# KiCad board Nearfield RP2040.kicad_pcb (continued)
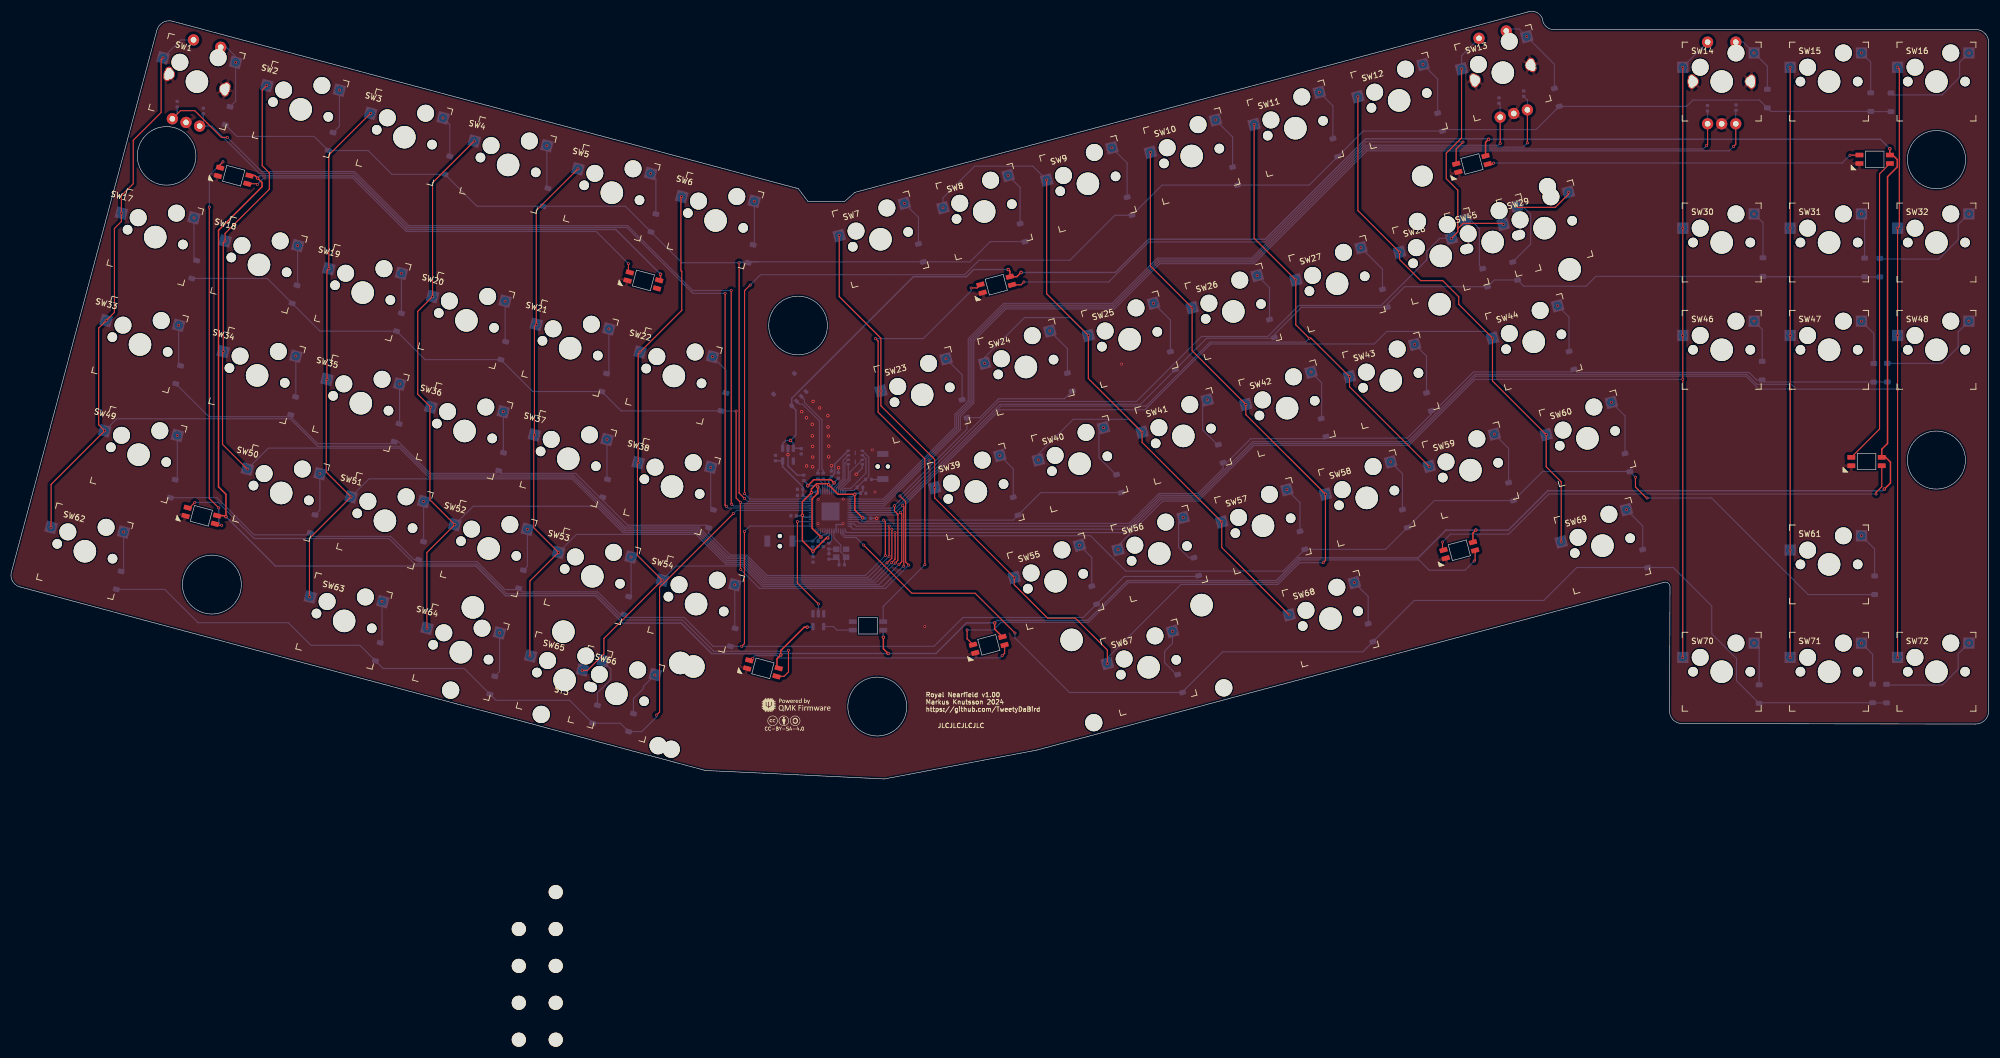
[diagram p0: board, top side]
## Nets
+1V1: C10.1 C11.1 C12.1 U5.23 U5.45 U5.50
+3V3: C1.1 C3.1 C4.1 C5.1 C6.1 C7.1 C8.1 C9.1 C21.1 R3.1 R8.1 U1.5 U4.8 U5.1 U5.10 U5.22 U5.33 U5.42 U5.43 U5.44 U5.48 U5.49
+5V: C2.1 J2.1 RGB1.1 RGB2.1 RGB3.1 RGB4.1 RGB5.1 RGB6.1 RGB7.1 RGB8.1 RGB9.1 RGB10.1 RGB11.1 U1.1 U1.3 U3.5
GND: C1.2 C2.2 C3.2 C4.2 C5.2 C6.2 C7.2 C8.2 C9.2 C10.2 C11.2 C12.2 C13.2 C14.1 C15.2 C16.1 C17.2 C18.1 C21.2 C22.2 C23.2 ENC1.C ENC1.MP1 ENC1.MP2 ENC2.C ENC2.MP1 ENC2.MP2 ENC3.C ENC3.MP1 ENC3.MP2 J2.4 RGB1.3 RGB2.3 RGB3.3 RGB4.3 RGB5.3 RGB6.3 RGB7.3 RGB8.3 RGB9.3 RGB10.3 RGB11.3 RS1.1 RS2.1 SW1.3 SW13.3 SW14.3 U1.2 U3.3 U4.4 U5.19 U5.57 Y1.2 Y1.4
/DN: R7.1 U5.46
/DP: R6.1 U5.47
Col_0: ENC1.S2 SW1.1 SW16.1 SW17.1 SW32.1 SW33.1 SW48.1 SW49.1 SW62.1 SW72.1 U5.13
Col_1: SW2.1 SW15.1 SW18.1 SW31.1 SW34.1 SW47.1 SW50.1 SW61.1 SW71.1 U5.14
Col_2: ENC3.S2 SW3.1 SW14.1 SW19.1 SW30.1 SW35.1 SW46.1 SW51.1 SW63.1 SW70.1 U5.15
Col_3: ENC2.S2 SW4.1 SW13.1 SW20.1 SW29.1 SW36.1 SW45.1 SW52.1 SW64.1 U5.6
Col_4: SW5.1 SW12.1 SW21.1 SW28.1 SW37.1 SW44.1 SW53.1 SW60.1 SW65.1 SW69.1 U5.9
Col_5: SW6.1 SW11.1 SW22.1 SW27.1 SW38.1 SW43.1 SW54.1 SW59.1 SW66.1 U5.8
Col_6: SW7.1 SW10.1 SW23.1 SW26.1 SW39.1 SW42.1 SW55.1 SW58.1 SW67.1
Col_7: SW8.1 SW9.1 SW24.1 SW25.1 SW40.1 SW41.1 SW56.1 SW57.1 SW68.1
D+: J2.3 R6.2
D-: J2.2 R7.2
ENC1: D1.2 ENC1.S1 SW1.2
ENC1_A: C13.1 ENC1.A U5.38
ENC1_B: C14.2 ENC1.B U5.37
ENC2: D13.2 ENC2.S1 SW13.2
ENC2_A: C15.1 ENC2.A U5.2
ENC2_B: C16.2 ENC2.B U5.3
ENC3: D14.2 ENC3.S1 SW14.2
ENC3_A: C17.1 ENC3.A U5.4
ENC3_B: C18.2 ENC3.B U5.5
RGB: U3.2 U5.31
Row_0: D1.1 D2.1 D3.1 D4.1 D5.1 D6.1 D7.1 D8.1 U5.40
Row_1: D9.1 D10.1 D11.1 D12.1 D13.1 D14.1 D15.1 D16.1 U5.41
Row_2: D17.1 D18.1 D19.1 D20.1 D21.1 D22.1 D23.1 D24.1 U5.39
Row_3: D25.1 D26.1 D27.1 D28.1 D29.1 D30.1 D31.1 D32.1 U5.7
Row_4: D33.1 D34.1 D35.1 D36.1 D37.1 D38.1 D39.1 D40.1 U5.11
Row_5: D41.1 D42.1 D43.1 D44.1 D45.1 D46.1 D47.1 U5.12
Row_6: D48.1 D49.1 D50.1 D51.1 D52.1 D53.1 D54.1 D55.1 U5.29
Row_7: D56.1 D57.1 D58.1 D59.1 D60.1 U5.16
Row_8: D61.1 D62.1 D63.1 D64.1 D65.1 U5.36
Row_9: D66.1 D67.1 D68.1 D69.1 D70.1 D71.1 U5.17
Net-(C23-Pad1): C23.1 R5.2 Y1.3
Net-(D2-A): D2.2 SW2.2
Net-(D3-A): D3.2 SW3.2
Net-(D4-A): D4.2 SW4.2
Net-(D5-A): D5.2 SW5.2
Net-(D6-A): D6.2 SW6.2
Net-(D7-A): D7.2 SW7.2
Net-(D8-A): D8.2 SW8.2
Net-(D9-A): D9.2 SW9.2
Net-(D10-A): D10.2 SW10.2
Net-(D11-A): D11.2 SW11.2
Net-(D12-A): D12.2 SW12.2
Net-(D15-A): D15.2 SW15.2
Net-(D16-A): D16.2 SW16.2
Net-(D17-A): D17.2 SW17.2
Net-(D18-A): D18.2 SW18.2
Net-(D19-A): D19.2 SW19.2
Net-(D20-A): D20.2 SW20.2
Net-(D21-A): D21.2 SW21.2
Net-(D22-A): D22.2 SW22.2
Net-(D23-A): D23.2 SW23.2
Net-(D24-A): D24.2 SW24.2
Net-(D25-A): D25.2 SW25.2
Net-(D26-A): D26.2 SW26.2
Net-(D27-A): D27.2 SW27.2
Net-(D28-A): D28.2 SW28.2
Net-(D29-A): D29.2 SW29.2 SW45.2
Net-(D30-A): D30.2 SW30.2
Net-(D31-A): D31.2 SW31.2
Net-(D32-A): D32.2 SW32.2
Net-(D33-A): D33.2 SW33.2
Net-(D34-A): D34.2 SW34.2
Net-(D35-A): D35.2 SW35.2
Net-(D36-A): D36.2 SW36.2
Net-(D37-A): D37.2 SW37.2
Net-(D38-A): D38.2 SW38.2
Net-(D39-A): D39.2 SW39.2
Net-(D40-A): D40.2 SW40.2
Net-(D41-A): D41.2 SW41.2
Net-(D42-A): D42.2 SW42.2
Net-(D43-A): D43.2 SW43.2
Net-(D44-A): D44.2 SW44.2
Net-(D45-A): D45.2 SW46.2
Net-(D46-A): D46.2 SW47.2
Net-(D47-A): D47.2 SW48.2
Net-(D48-A): D48.2 SW49.2
Net-(D49-A): D49.2 SW50.2
Net-(D50-A): D50.2 SW51.2
Net-(D51-A): D51.2 SW52.2
Net-(D52-A): D52.2 SW53.2
Net-(D53-A): D53.2 SW54.2
Net-(D54-A): D54.2 SW55.2
Net-(D55-A): D55.2 SW56.2
Net-(D56-A): D56.2 SW57.2
Net-(D57-A): D57.2 SW58.2
Net-(D58-A): D58.2 SW59.2
Net-(D59-A): D59.2 SW60.2
Net-(D60-A): D60.2 SW61.2
Net-(D61-A): D61.2 SW62.2
Net-(D62-A): D62.2 SW63.2
Net-(D63-A): D63.2 SW64.2
Net-(D64-A): D64.2 SW65.2
Net-(D65-A): D65.2 SW66.2
Net-(D66-A): D66.2 SW67.2
Net-(D67-A): D67.2 SW68.2
Net-(D68-A): D68.2 SW69.2
Net-(D69-A): D69.2 SW70.2
Net-(D70-A): D70.2 SW71.2
Net-(D71-A): D71.2 SW72.2
Net-(R4-Pad2): R4.2 RS1.2
Net-(RGB1-DIN): RGB1.4 U3.4
Net-(RGB1-DOUT): RGB1.2 RGB2.4
Net-(RGB2-DOUT): RGB2.2 RGB3.4
Net-(RGB3-DOUT): RGB3.2 RGB4.4
Net-(RGB4-DOUT): RGB4.2 RGB5.4
Net-(RGB5-DOUT): RGB5.2 RGB6.4
Net-(RGB6-DOUT): RGB6.2 RGB7.4
Net-(RGB7-DOUT): RGB7.2 RGB8.4
Net-(RGB8-DOUT): RGB8.2 RGB9.4
Net-(RGB10-DIN): RGB9.2 RGB10.4
Net-(RGB10-DOUT): RGB10.2 RGB11.4
Net-(U4-CLK): U4.6 U5.52
Net-(U4-DI(IO0)): U4.5 U5.53
Net-(U4-DO(IO1)): U4.2 U5.55
Net-(U4-IO2): U4.3 U5.54
Net-(U4-IO3): U4.7 U5.51
Net-(U4-~{CS}): R3.2 R4.1 U4.1 U5.56
Net-(U5-RUN): R8.2 RS2.2 U5.26
Net-(U5-XIN): C22.1 U5.20 Y1.1
Net-(U5-XOUT): R5.1 U5.21

Pads without a net: J2 MP; RGB11 2; U1 4; U3 1; U4 9; U5 18 24 25 27 28 30 32 34 35

## Via types
v1: diameter 0.6, hole 0.3, Top to Bottom, 46 vias
v2: diameter 0.5, hole 0.3, Top to Bottom, 220 vias

## Routing (per net, layer and track width the routed paths; a pad name or vN(x,y) marks a point on that pad's centre or on a via; arc(x,y) is an arc through that point)
+1V1: length 25.3
  Top w0.254: v1(143.08,51.85) 143.08,50.74 142.06,49.71 142.06,44.52 v1(143.64,42.94) ; v1(141.29,52.03) 142.37,53.11 145.42,53.11 v1(145.98,52.55)
  Bottom w0.254: C10.1 143.12,42.42 v1(143.64,42.94) 144.05,43.36 144.51,43.36 144.74,43.58 U5.23 ; U5.45 143.54,51.39 v1(143.08,51.85) 142.89,52.03 v1(141.29,52.03) 141.29,52.28 C12.1 ; C11.1 145.98,52.63 v1(145.98,52.55) 145.98,52.53 145.54,52.09 U5.50
+3V3: length 65.8
  Top w0.254: v1(144.84,42.78) 144.59,42.78 v1(142.22,40.41) 140.34,42.29 v1(140.34,46.8) 140.34,49.2 v1(141.95,50.81) 141.95,51.5 142.85,52.4 144.83,52.4 v1(145,52.23) 146.7,50.53 v1(149.65,50.53) 149.65,47.74 v1(151.04,46.35)
  Bottom w0.254: C6.1 142.22,39.46 v1(142.22,40.41) 142.19,40.44 R8.1 ; U5.1 149.2,50.09 v1(149.65,50.53) 149.83,50.71 C4.1 151.07,51.14 R3.1 ; U5.44 U5.43 142.06,50.92 v1(141.95,50.81) 141.9,50.77 U5.42 140.66,50.09 C3.1 140.43,51.4 140.46,51.43 ; v1(144.84,42.78) 144.88,42.82 144.88,43.04 ; U5.49 145.14,52.09 v1(145,52.23) ; C21.1 140.26,46.72 v1(140.34,46.8) 140.65,46.49 U5.33 ; 144.88,43.04 C9.1 ; 144.88,43.04 145.14,43.3 U5.22 ; v1(145,52.23) 144.74,51.97 U5.48 ; v1(145,52.23) 145,53.16 C5.1 146.08,54.24 146.08,55.9 148.45,58.27 U4.8 ; C7.1 136.79,56.48 U1.5 136.84,55.43 140.42,51.85 C1.1 ; U5.10 150.9,46.49 v1(151.04,46.35) 151.1,46.28 C8.1
+5V: length 782
  Top w0.254: v1(176.85,90.43) 177.15,90.13 RGB2.1 178.39,89.17 v1(179.15,89.92) ; v1(332.29,51.45) 333.37,52.53 333.37,56.24 332.51,57.1 RGB5.1 331.82,58.53 332.85,59.55 332.85,106.92 334.58,108.65 334.58,109.96 333.78,110.76 RGB4.1 333.26,110.77 v1(333.26,111.89) ; RGB10.1 43.25,107.12 v1(43.7,106.66) 44.49,105.88 44.49,105.13 36.76,97.4 36.76,51.86 38.08,50.54 v1(38.08,46.57) 37.91,46.74 RGB9.1 ; v1(259.83,44.18) 259.3,43.66 RGB6.1 ; v1(141.2,26.95) 140.67,26.95 136.52,22.8 v1(136.52,22.01) 135.83,21.33 135.83,19.97 RGB8.1 ; RGB3.1 261.54,113.04 v1(262.07,113.56) ; v1(115.18,89.6) 115.18,88.77 RGB11.1 ; v1(155.56,22.27) 154.71,23.12 v1(154.71,25.15) ; RGB7.1 174.45,26.6 v1(174.45,27.7)
  Bottom w0.254: C2.1 140.08,58.71 U1.3 138.74,59.58 v1(138.23,60.09) ; v1(138.23,60.09) 139.2,61.06 139.2,65.48 J2.1 138.45,67.58 160.03,89.16 169.45,89.16 170.73,90.43 v1(176.85,90.43) ; v1(138.23,60.09) 137.39,60.09 136.84,59.54 U1.1 ; v1(154.71,25.15) 154.68,25.18 RGB1.1 ; v1(333.26,111.89) 331.59,113.56 v1(262.07,113.56) 261.98,113.65 240.27,113.65 222.44,95.81 201.77,95.81 195.88,89.92 v1(179.15,89.92) ; v1(115.18,89.6) 107.24,97.54 70.21,97.54 60.7,107.06 44.1,107.06 v1(43.7,106.66) ; v1(332.29,51.45) 332,51.16 272.57,51.16 265.59,44.18 v1(259.83,44.18) 254.52,44.18 249.57,39.24 228.45,39.24 224.42,35.21 198.02,35.21 190.96,28.14 174.9,28.14 v1(174.45,27.7) 169.45,27.7 164.02,22.27 v1(155.56,22.27) 136.77,22.27 v1(136.52,22.01) 136.28,22.25 124.25,22.25 118.83,27.67 108.48,27.67 103.62,32.53 87.69,32.53 82.43,37.79 46.86,37.79 v1(38.08,46.57) ; v1(141.2,26.95) 142.13,26.95 U3.5
GND: length 17.2
  Bottom w0.254: U4.4 150.98,55.18 v1(149.89,54.09) ; U5.19 146.34,45.16 147.42,45.16 v2(147.55,45.29) ; C12.2 139.44,53.93 137.79,55.58 U1.2 ; v1(146.77,55.25) 146.73,55.21 C11.2 ; C5.2 v1(145.52,55.62) ; C23.2 145.99,39.01 Y1.2 146.85,38.87 C22.2 ; C8.2 152.47,46.27 v1(153.52,46.27)
  vias: v1(137.79,57.57) v1(140.23,65.2) v1(141.07,64.12) v1(141.09,55.57) v1(142.1,62.95) v1(142.11,60.92) v1(142.14,59.05) v1(142.16,57.13) v1(142.16,55.41) v1(142.24,67.02) v1(143.41,65.87) v1(144.86,64.5) v1(144.91,62.5) v1(144.97,60.88) v1(145.02,59.07) v1(145,57.18) v2(143.14,49.66) v2(143.11,45.31) v2(147.57,49.68) v2(152.74,58.4) v2(153.23,50.94) v2(162.05,27.03) v2(196.98,73.64)
/DN: length 2.7
  Bottom w0.2: U5.46 143.95,50.94 143.95,52.43 R7.1
/DP: length 2.5
  Bottom w0.2: R6.1 144.34,52.98 U5.47
Col_0: length 561.1
  Top w0.2: v2(155.74,44.88) 155.72,44.86 v2(155.72,39.53) ; v2(334.63,21.58) v2(334.63,69.19) v2(334.63,78.73) v2(334.63,97.78) 334.94,98.09 334.94,126.04 v2(334.63,126.35) ; v2(7.05,44.66) 7.05,52.28 v2(16.57,61.81) 15.51,62.87 15.51,80.04 v2(16.83,81.36) 18.3,82.83 18.3,97.73 19.53,98.97 v2(19.53,100.44) 19.53,103.57 21.64,105.67 21.64,113.38 26.59,118.33 26.59,127.7 v2(26.93,128.04)
  Bottom w0.2: v2(16.57,61.81) 18.71,63.94 49.48,63.94 54.36,59.06 69.03,59.06 74.16,53.93 99.72,53.93 108.93,44.71 122,44.71 127.28,39.43 130.31,39.43 133.94,35.8 152,35.8 155.72,39.51 v2(155.72,39.53) ; v2(334.63,69.19) 316.65,69.19 315.79,70.06 309.65,70.06 307.87,71.84 259.64,71.84 247.67,59.87 220.19,59.87 210.67,50.35 203.74,50.35 198.28,44.88 v2(155.74,44.88) 149.92,44.88 149.52,45.29 U5.13 ; v2(26.93,128.04) 30.1,131.21 ENC1.S2
Col_1: length 490.4
  Top w0.2: v2(315.58,21.58) v2(315.58,40.63) v2(315.58,69.2) v2(315.58,78.73) v2(315.58,97.78) v2(315.58,126.35) ; v2(156.22,44.34) 156.22,39.2 v2(155.36,38.34) ; v2(45.33,123.11) 44.51,122.29 44.51,108.87 45.78,107.6 45.78,104.7 37.93,96.85 v2(37.93,95.51) 37.6,95.18 v2(37.6,75.87) 37.48,75.75 37.48,59.4 v2(41.87,55.01)
  Bottom w0.2: v2(41.87,55.01) 45.6,58.73 68.9,58.73 74.03,53.6 99.58,53.6 108.8,44.39 121.86,44.39 127.15,39.1 130.18,39.1 133.81,35.47 152.48,35.47 v2(155.36,38.34) ; U5.14 149.32,44.34 v2(156.22,44.34) 198.2,44.34 203.88,50.02 210.81,50.02 220.33,59.54 247.81,59.54 259.78,71.51 307.74,71.51 310.05,69.2 v2(315.58,69.2)
Col_2: length 476.7
  Top w0.2: v2(296.53,21.58) v2(296.53,70.94) v2(296.53,78.73) v2(296.53,97.78) v2(296.53,126.35) ; v2(156.78,43.74) 156.78,39.01 156.16,38.39 v2(156.16,38.37) ; v2(52.9,32.34) 52.9,42.7 v2(60.27,50.08) 55.88,54.47 55.88,70.82 v2(56,70.94) 56,90.24 v2(56.33,90.57) 56.33,110.78 v2(63.73,118.18)
  Bottom w0.2: ENC3.S2 296.53,126.41 v2(296.53,126.35) ; v2(296.53,70.94) 259.67,70.94 247.94,59.21 220.46,59.21 210.94,49.69 204.01,49.69 198.06,43.74 v2(156.78,43.74) 148.24,43.74 U5.15 ; v2(156.16,38.37) 152.93,35.14 133.67,35.14 130.04,38.77 127.01,38.77 121.73,44.06 108.66,44.06 99.45,53.27 63.47,53.27 v2(60.27,50.08)
Col_3: length 368
  Top w0.2: v2(156.69,48.51) 156.69,47.59 157.28,46.99 157.28,38.81 v2(156.81,38.33) ; v2(73.74,26.74) 73.74,40.21 v2(78.68,45.14) 74.28,49.54 74.28,65.89 v2(74.41,66.01) 72.11,68.31 72.11,83.02 v2(74.74,85.64) 74.74,105.85 v2(82.13,113.25) ; 256.62,97.69 257.56,98.64 264.49,98.64 v2(264.68,98.45) ; 256.62,97.69 256.62,97.13 v2(255.48,95.99) ; 256.62,97.69 256.62,104.52 254.56,106.58 254.56,111.08 257.21,113.73 257.28,113.73 v2(257.28,126.05)
  Bottom w0.2: v2(78.68,45.14) 81.95,48.41 103.84,48.41 108.53,43.73 121.59,43.73 126.88,38.45 129.9,38.45 133.54,34.82 153.31,34.82 156.81,38.31 v2(156.81,38.33) ; ENC2.S2 257.28,128.41 v2(257.28,126.05) ; v2(255.48,95.99) 253.42,95.99 251.11,93.68 251.11,92.16 243.02,84.06 228.42,84.06 222.92,78.56 211.16,78.56 199.61,67.01 175.19,67.01 v2(156.69,48.51) 156.26,48.09 U5.6
Col_4: length 394.7
  Top w0.2: v2(157.72,47.29) 157.97,47.04 157.97,38.56 v2(157.48,38.07) ; v2(238.88,121.12) 238.9,121.11 238.9,100.9 v2(246.28,93.52) 246.28,92.22 250.03,88.46 253.93,88.46 256.78,85.61 256.78,84.27 v2(262.77,78.28) 262.77,70.66 v2(272.29,61.13) 272.29,55.41 274.96,52.74 v2(274.96,42.08) ; v2(100.53,108.32) 93.14,100.92 v2(93.14,80.71) 92.81,80.38 v2(92.81,61.08) 92.68,60.96 92.68,44.61 v2(97.08,40.21) 92.01,35.15 v2(92.01,21.8)
  Bottom w0.2: v2(97.08,40.21) 100.27,43.4 121.46,43.4 126.74,38.12 129.77,38.12 133.4,34.49 153.89,34.49 v2(157.48,38.07) ; v2(262.77,78.28) 261.6,79.45 244.01,79.45 241.78,77.22 212.78,77.22 201.1,65.54 175.39,65.54 158.65,48.8 158.65,48.22 v2(157.72,47.29) 157.31,46.89 U5.9
Col_5: length 321.7
  Top w0.2: v2(251.54,55.49) 237.41,69.62 v2(237.41,71.42) 230.59,78.23 v2(230.27,78.23) 227.88,80.63 v2(227.88,88.59) 220.48,95.99 v2(220.48,116.19) ; v2(158.15,48.55) 158.33,48.36 158.33,37.79 v2(158.33,37.78) ; v2(118.93,103.38) 118.81,103.26 118.81,90.2 118.95,90.06 118.95,83.19 v2(111.54,75.78) 111.21,75.45 v2(111.21,56.15) 111.08,56.02 111.08,39.68 v2(115.48,35.28) 105.13,24.93 105.13,22.18 102.2,19.26 v2(101.28,19.26)
  Bottom w0.2: v2(158.33,37.78) 158.25,37.78 154.62,34.16 133.26,34.16 129.63,37.79 117.99,37.79 v2(115.48,35.28) ; U5.8 156.88,47.29 158.14,48.55 v2(158.15,48.55) 158.15,48.76 175.58,66.2 201.29,66.2 212.64,77.55 229.58,77.55 v2(230.27,78.23)
Col_6: length 230.7
  Top w0.2: v2(146.88,96.47) 146.88,85.65 154.27,78.25 v2(154.27,68.87) 154.27,66.26 163.8,56.73 v2(163.8,51.7) 163.8,49.9 v2(177.93,35.77) 177.93,34.47 183.84,28.55 188.77,28.55 194.44,22.88 v2(194.44,20.49) ; v2(232.73,38.38) 233.14,38.79 v2(233.14,50.56) 219,64.69 v2(219,66.49) 209.47,76.02 v2(209.47,83.66) 202.08,91.06 v2(202.08,111.26)
  Bottom w0.2: v2(232.73,38.38) 228.56,38.38 224.7,34.52 207.5,34.52 194.44,21.47 v2(194.44,20.49)
Col_7: length 189.1
  Top w0.2: v2(183.68,106.33) 183.68,86.13 v2(191.07,78.73) 191.07,71.09 v2(200.6,61.56) 200.6,59.76 v2(214.73,45.63) 214.73,41.09 v2(226.7,29.13)
  Bottom w0.2: v2(214.73,45.63) 211.04,49.32 204.25,49.32 196.33,41.41 v2(196.33,40.7) ; v2(165.28,101.4) 165.28,103.16 170.9,108.78 181.23,108.78 v2(183.68,106.33) ; v2(172.67,73.8) 172.67,74.84 179.75,81.91 187.89,81.91 v2(191.07,78.73) ; v2(182.2,56.63) 182.2,57.67 188.38,63.85 198.32,63.85 v2(200.6,61.56)
D+: length 15.2
  Bottom w0.2: J2.3 140.69,67.38 140.69,66.85 143.8,63.74 143.8,55.02 144.05,54.77 R6.2
D-: length 14.9
  Bottom w0.2: R7.2 143.11,54.77 143.35,55.02 143.35,63.56 140.38,66.53 139.85,66.53 J2.2
ENC1: length 12.7
  Bottom w0.2: D1.2 39.81,120.33 v2(39.81,127.22) 39.81,128.25 38.14,129.91 ENC1.S1
ENC1_A: length 167.6
  Top w0.2: v2(127.72,86.71) 127.72,48.86 v2(127.81,48.77) ; ENC1.A 30.03,118.65 32.54,118.65 37.29,113.9 v2(38.32,113.9)
  Bottom w0.2: U5.38 128.09,48.49 v2(127.81,48.77) ; C13.1 29.44,118.06 ENC1.A ; v2(38.32,113.9) 44.38,107.84 60.88,107.84 70.5,98.22 109.36,98.22 120.87,86.71 v2(127.72,86.71)
ENC1_B: length 161.1
  Top w0.2: v2(126.63,86.21) 126.63,48.62 v2(126.85,48.4)
  Bottom w0.2: U5.37 127.16,48.09 v2(126.85,48.4) ; v2(126.63,86.21) 120.97,86.21 120.8,86.39 120.73,86.39 109.22,97.9 70.36,97.9 60.74,107.52 43.99,107.52 35.6,115.91 ENC1.B 34.07,116.56 C14.2
ENC2: length 15.7
  Top w0.2: 265.29,132.83 265.25,132.8 ENC2.S1
  Bottom w0.2: ENC2.S1 265.56,133.14 267.48,133.14 v2(268.84,131.78) 273.75,126.88 D13.2
ENC2_A: length 156.6
  Top w0.2: v2(264.13,112.82) ENC2.A
  Bottom w0.2: ENC2.A 264.13,119.74 C15.1 ; v2(264.13,112.82) 263.81,112.5 240.09,112.5 220.04,92.46 203.31,92.46 195.28,84.43 176.03,84.43 169.77,78.16 169.77,67.12 167.39,64.74 167.39,62.41 154.66,49.69 U5.2
ENC2_B: length 162.9
  Top w0.2: ENC2.B v2(268.96,112.92)
  Bottom w0.2: ENC2.B 268.96,120.53 C16.2 ; U5.3 154.72,49.29 167.71,62.28 167.71,64.61 170.09,66.99 170.09,78.03 176.17,84.1 195.42,84.1 203.45,92.13 220.18,92.13 240.22,112.17 268.2,112.17 v2(268.96,112.92)
ENC3: length 11.5
  Bottom w0.2: D14.2 311.53,126.54 v2(309.18,128.89) 307.26,130.81 ENC3.S1
ENC3_A: length 192.4
  Top w0.2: v2(300.71,112.42) 300.93,112.64 ENC3.A
  Bottom w0.2: U5.4 154.79,48.89 168.04,62.14 168.04,64.47 170.42,66.85 170.42,77.89 176.3,83.77 195.55,83.77 203.58,91.8 220.31,91.8 240.35,111.84 300.12,111.84 v2(300.71,112.42) ; ENC3.A 300.93,118.57 C17.1
ENC3_B: length 197.6
  Top w0.2: v2(305.53,112.28) 305.93,112.68 ENC3.B
  Bottom w0.2: C18.2 305.93,118.66 ENC3.B ; U5.5 154.85,48.49 168.37,62.01 168.37,64.34 170.75,66.71 170.75,77.75 176.44,83.44 195.69,83.44 203.72,91.47 220.45,91.47 240.49,111.51 304.76,111.51 v2(305.53,112.28)
RGB: length 20.3
  Top w0.2: v2(143.17,31.06) 139.46,34.77 v2(139.46,45.69)
  Bottom w0.2: U5.31 v2(139.46,45.69) ; v2(143.17,31.06) U3.2
Row_0: length 211.4
  Top w0.2: v2(130.1,49.77) 129.11,50.76 v2(129.11,91.64)
  Bottom w0.2: v2(129.11,91.64) 129.27,91.8 132.56,91.8 ; v2(129.11,91.64) D6.1 130.9,91.8 132.56,91.8 ; v2(129.11,91.64) 118.96,91.64 D5.1 108.93,101.67 D4.1 82.61,101.67 D3.1 67.52,107.34 63.3,111.56 D2.1 53.73,114.07 40.03,114.07 D1.1 ; D8.1 173.67,95.39 170.08,91.8 D7.1 132.56,91.8 ; v2(130.1,49.77) 130.58,49.29 U5.40
Row_1: length 266.5
  Top w0.2: v2(131.08,87.67) 130.09,86.68 v2(130.09,50.64)
  Bottom w0.2: U5.41 131.04,49.69 v2(130.09,50.64) ; D16.1 329.91,118.48 D15.1 312.15,118.52 D14.1 310.14,120.52 298.32,120.52 297.2,119.4 D13.1 270.48,115.28 254.15,115.28 D12.1 239.84,115.02 D11.1 230.25,105.43 D10.1 204.15,105.43 D9.1 195.8,100.08 187.81,92.09 171.7,92.09 169.12,89.51 132.92,89.51 v2(131.08,87.67)
Row_2: length 232.8
  Top w0.2: v2(128.59,65.29) 128.59,49.87 v2(129.34,49.12) 129.34,37.23 v2(129.42,37.15) ; v2(157.66,50.23) 158.66,49.23 158.66,38.52 v2(159.22,37.96)
  Bottom w0.2: v2(129.42,37.15) 132.74,33.83 155.09,33.83 v2(159.22,37.96) ; v2(157.66,50.23) 157.71,50.23 169.53,62.06 D23.1 171.78,64.13 175.15,67.49 186.84,67.49 D24.1 ; v2(128.59,65.29) 125.97,65.29 D22.1 108.18,65.35 D21.1 92.51,68.78 D20.1 73.4,74.44 D19.1 54.78,79.49 D18.1 45.42,88.85 D17.1 ; v2(129.34,49.12) 129.57,48.89 U5.39
Row_3: length 201.5
  Bottom w0.2: U5.7 156.58,47.69 175.42,66.53 200.35,66.53 D25.1 212.06,78.24 223.92,78.24 D26.1 224.06,78.9 228.9,83.73 D27.1 244.1,84.3 247.2,87.39 D28.1 263.07,88.58 D29.1 268.3,87.48 279.37,87.48 281.11,89.22 D30.1 310.81,89.16 D31.1 328.8,89.13 D32.1
Row_4: length 200.3
  Top w0.2: v2(155.06,39.64) 155.06,45.67 v2(154.78,45.95)
  Bottom w0.2: D40.1 182.6,50.83 D39.1 177.73,45.95 v2(154.78,45.95) 154.57,45.75 150.89,45.75 150.55,46.09 U5.11 ; D33.1 35.04,64.31 49.25,64.31 D34.1 49.58,64.3 54.37,59.51 67.59,59.51 D35.1 68.69,59.86 74.3,54.26 85.99,54.26 D36.1 86.94,54.26 100.12,54.26 104.36,50.01 D37.1 104.92,49.48 109.36,45.04 123.26,45.04 D38.1 123.71,43.57 127.53,39.75 130.45,39.75 134.08,36.12 151.54,36.12 v2(155.06,39.64)
Row_5: length 197.6
  Bottom w0.2: D47.1 330.46,70.48 D46.1 330.39,70.47 310.97,70.47 D45.1 309.62,70.83 308.29,72.17 277.75,72.17 D44.1 276.75,72.26 259.41,72.26 252.51,65.36 D43.1 251.91,64.76 247.66,60.5 233.51,60.5 D42.1 232.86,60.41 219.89,60.41 215.63,56.15 D41.1 214.98,55.12 210.54,50.67 203.61,50.67 198.31,45.37 155.95,45.37 155.94,45.38 150.48,45.38 150.18,45.69 U5.12
Row_6: length 231.9
  Top w0.2: v2(130.07,43.94) 130.07,24.03 v2(129.58,23.54)
  Bottom w0.2: D55.1 210.5,35.95 197.46,35.95 D54.1 190.17,28.66 168.83,28.66 163.71,23.54 v2(129.58,23.54) D53.1 124.51,23.54 119.38,28.67 109.18,28.67 D52.1 108.07,29.17 104.03,33.21 90.64,33.21 D51.1 89.77,33.62 87.56,33.62 82.6,38.58 72.62,38.58 D50.1 71.43,38.93 67.3,43.06 53.65,43.06 D49.1 52.68,43.33 43.07,43.33 36.47,49.93 D48.1 ; U5.29 131.01,44.89 v2(130.07,43.94)
Row_7: length 203.6
  Top w0.2: v2(288.13,53.58) 288.13,51.83 290.09,49.87 v2(290.2,49.87)
  Bottom w0.2: U5.16 147.54,43.62 147.98,43.17 191.45,43.17 197.73,36.89 225.6,36.89 D56.1 243.79,40.76 D57.1 252.44,49.41 D58.1 271.65,54.58 D59.1 v2(288.13,53.58) ; v2(290.2,49.87) 301.64,49.87 318.77,32.74 D60.1
Row_8: length 163.2
  Top w0.2: v2(128.1,47.1) 115.01,34.01 115.01,11.87 v2(114.46,11.32)
  Bottom w0.2: U5.36 128.68,47.69 v2(128.1,47.1) ; D61.1 27.21,33.66 33.14,27.73 49.16,27.73 53.17,23.72 61.85,23.72 D62.1 65.97,19.6 80.35,19.6 D63.1 85.99,13.96 99.06,13.96 D64.1 108.05,9.88 D65.1 111.87,8.41 114.46,10.99 v2(114.46,11.32)
Row_9: length 222.7
  Top w0.2: v2(178.06,25.9) 171,32.96 159.77,32.96 v2(151.22,41.51)
  Bottom w0.2: D71.1 330.22,13.5 D70.1 310.18,13.52 D69.1 306.06,17.42 306.06,21.38 301.67,25.77 301.67,30.71 294.85,37.53 D68.1 277.72,37.53 271.88,31.69 248.89,31.69 D67.1 239.76,22.56 214.9,22.56 207.77,15.44 D66.1 187.73,15.34 178.06,25.01 v2(178.06,25.9) ; U5.17 147.14,43.56 147.85,42.85 149.88,42.85 v2(151.22,41.51)
Net-(C23-Pad1): length 2.2
  Bottom w0.2: Y1.3 145.12,40.77 R5.2 C23.1
Net-(D2-A): length 8
  Bottom w0.2: v2(58.21,122.29) 58.21,115.87 D2.2
Net-(D3-A): length 7.3
  Bottom w0.2: D3.2 77.79,116.17 v2(76.61,117.36)
Net-(D4-A): length 7.6
  Bottom w0.2: v2(95.01,112.43) 95.01,105.06 D4.2
Net-(D5-A): length 7.6
  Bottom w0.2: v2(113.41,107.49) 114.35,106.55 D5.2
Net-(D6-A): length 7.8
  Bottom w0.2: D6.2 131.81,95.04 v2(131.81,102.56)
Net-(D7-A): length 8.2
  Bottom w0.2: D7.2 160.94,99.7 v2(158.44,102.2)
Net-(D8-A): length 9.4
  Bottom w0.2: D8.2 178.97,105 v2(176.84,107.13)
Net-(D9-A): length 9.9
  Bottom w0.2: v2(195.24,112.06) 197.95,109.35 D9.2
Net-(D10-A): length 9.6
  Bottom w0.2: v2(213.64,116.99) 216.66,113.97 D10.2
Net-(D11-A): length 9.2
  Bottom w0.2: D11.2 234.46,119.5 v2(232.04,121.92)
Net-(D12-A): length 9.7
  Bottom w0.2: v2(250.44,126.85) 253.04,124.25 D12.2
Net-(D15-A): length 7.8
  Bottom w0.2: D15.2 329.87,127.25 v2(328.23,128.89)
Net-(D16-A): length 18.6
  Bottom w0.2: v2(347.28,128.89) 345.64,127.25 345.64,124.56 342.52,121.44 333.79,121.44 D16.2
Net-(D17-A): length 7.8
  Bottom w0.2: v2(32.41,99.62) 32.41,92.51 D17.2
Net-(D18-A): length 7.1
  Bottom w0.2: D18.2 50.81,87.76 v2(50.81,94.68)
Net-(D19-A): length 7.1
  Bottom w0.2: v2(69.21,89.75) 69.21,82.69 D19.2
Net-(D20-A): length 7.2
  Bottom w0.2: v2(87.61,84.82) 87.61,77.72 D20.2
Net-(D21-A): length 8.1
  Bottom w0.2: D21.2 106.01,72.38 v2(106.01,79.89)
Net-(D22-A): length 7.4
  Bottom w0.2: v2(124.41,74.96) 126.76,72.61 D22.2
Net-(D23-A): length 8.5
  Bottom w0.2: v2(165.83,74.6) 168.68,71.75 D23.2
Net-(D24-A): length 8.8
  Bottom w0.2: D24.2 187.36,76.4 v2(184.23,79.53)
Net-(D25-A): length 9.9
  Bottom w0.2: v2(202.63,84.46) 205.63,81.46 D25.2
Net-(D26-A): length 8.7
  Bottom w0.2: D26.2 223.21,87.22 v2(221.04,89.39)
Net-(D27-A): length 9
  Bottom w0.2: v2(239.44,94.32) 243.25,90.51 D27.2
Net-(D28-A): length 10.6
  Bottom w0.2: D28.2 260.43,91.18 260.43,97.69 258.87,99.25 v2(257.84,99.25)
Net-(D29-A): length 23.6
  Top w0.2: v2(267.04,101.72) 267.28,101.47 273.91,101.47 276.24,103.8 v2(276.24,104.18)
  Bottom w0.2: v2(267.04,101.72) 268.07,101.72 269.54,100.25 269.54,94.95 D29.2
Net-(D30-A): length 8.5
  Bottom w0.2: v2(309.18,100.32) 310.76,98.74 310.76,92.53 D30.2
Net-(D31-A): length 8.1
  Bottom w0.2: D31.2 328.78,92.46 328.78,99.76 v2(328.23,100.32)
Net-(D32-A): length 20.8
  Bottom w0.2: D32.2 331.61,92.29 341.93,92.29 345.38,95.74 345.38,98.42 v2(347.28,100.32)
Net-(D33-A): length 7.3
  Bottom w0.2: v2(29.71,80.54) 29.71,73.69 D33.2
Net-(D34-A): length 7.2
  Bottom w0.2: D34.2 50.48,67.88 v2(50.48,75.05)
Net-(D35-A): length 7.1
  Bottom w0.2: v2(68.88,70.12) 68.88,63.14 D35.2
Net-(D36-A): length 7.3
  Bottom w0.2: D36.2 87.28,57.96 v2(87.28,65.19)
Net-(D37-A): length 7.1
  Bottom w0.2: D37.2 105.68,53.29 v2(105.68,60.26)
Net-(D38-A): length 7.7
  Bottom w0.2: D38.2 124.08,48.26 v2(124.08,55.33)
Net-(D39-A): length 8.4
  Bottom w0.2: D39.2 177.75,55.04 v2(175.36,57.43)
Net-(D40-A): length 10
  Bottom w0.2: v2(193.76,62.36) 192.95,61.54 192.95,57.03 195.96,54.02 D40.2
Net-(D41-A): length 9.5
  Bottom w0.2: D41.2 213.97,59.34 211.35,61.96 211.35,66.47 v2(212.17,67.29)
Net-(D42-A): length 9.1
  Bottom w0.2: v2(230.57,72.22) 232.46,70.33 232.46,64.05 D42.2
Net-(D43-A): length 9.5
  Bottom w0.2: D43.2 251.06,75.06 v2(248.97,77.15)
Net-(D44-A): length 8.9
  Bottom w0.2: v2(274.33,84.01) 276.35,81.98 D44.2
Net-(D45-A): length 7.7
  Bottom w0.2: v2(309.18,81.27) 310.61,79.84 D45.2
Net-(D46-A): length 8.4
  Bottom w0.2: v2(328.23,81.27) 330.42,79.08 D46.2
Net-(D47-A): length 19.1
  Bottom w0.2: D47.2 342.47,73.78 345.38,76.69 345.38,79.37 v2(347.28,81.27)
Net-(D48-A): length 8
  Bottom w0.2: v2(29.45,60.99) 29.45,53.5 D48.2
Net-(D49-A): length 7.7
  Bottom w0.2: D49.2 54.75,47.73 v2(54.75,54.19)
Net-(D50-A): length 7.1
  Bottom w0.2: v2(73.15,49.25) 73.15,42.15 D50.2
Net-(D51-A): length 7.6
  Bottom w0.2: D51.2 91.55,37.74 v2(91.55,44.32)
Net-(D52-A): length 7.2
  Bottom w0.2: v2(109.95,39.39) 109.95,32.78 D52.2
Net-(D53-A): length 7.8
  Bottom w0.2: D53.2 128.35,26.79 v2(128.35,34.46)
Net-(D54-A): length 8.2
  Bottom w0.2: v2(189.49,41.49) 191.68,39.31 D54.2
Net-(D55-A): length 9.1
  Bottom w0.2: v2(207.9,46.42) 207.08,45.61 207.08,41.09 208.89,39.28 D55.2
Net-(D56-A): length 8.4
  Bottom w0.2: v2(226.3,51.35) 228.62,49.03 D56.2
Net-(D57-A): length 9.3
  Bottom w0.2: D57.2 246.8,54.18 v2(244.7,56.29)
Net-(D58-A): length 9.7
  Bottom w0.2: D58.2 265.63,58.68 v2(263.1,61.22)
Net-(D59-A): length 10.1
  Bottom w0.2: v2(283.85,66.86) 286.27,64.44 D59.2
Net-(D60-A): length 8.1
  Bottom w0.2: D60.2 330.56,40.84 v2(328.23,43.17)
Net-(D61-A): length 7.2
  Bottom w0.2: D61.2 19.93,37.29 v2(19.93,43.84)
Net-(D62-A): length 7.5
  Bottom w0.2: D62.2 65.77,24.48 v2(65.77,31.52)
Net-(D63-A): length 8.1
  Bottom w0.2: D63.2 86.62,19.07 v2(86.62,25.92)
Net-(D64-A): length 9.5
  Bottom w0.2: D64.2 103.99,15.29 106.36,17.65 106.36,19.51 v2(104.89,20.98)
Net-(D65-A): length 8.4
  Bottom w0.2: v2(114.16,18.44) 112.16,16.44 112.16,16.04 110.37,14.26 D65.2
Net-(D66-A): length 9.4
  Bottom w0.2: v2(206,26.22) 206,24.07 204.6,22.66 204.6,20.63 206.7,18.53 D66.2
Net-(D67-A): length 8.3
  Bottom w0.2: D67.2 240.71,32.41 v2(238.26,34.86)
Net-(D68-A): length 8.3
  Bottom w0.2: v2(286.52,47.81) 289.42,44.91 D68.2
Net-(D69-A): length 7.8
  Bottom w0.2: v2(309.18,24.12) 310.07,23.23 D69.2
Net-(D70-A): length 8.1
  Bottom w0.2: v2(328.23,24.12) 330.2,22.15 D70.2
Net-(D71-A): length 19.3
  Bottom w0.2: D71.2 332.8,16.67 342.54,16.67 345.38,19.51 345.38,22.22 v2(347.28,24.12)
Net-(R4-Pad2): length 2.1
  Bottom w0.2: 154.61,53.24 154.53,53.16 R4.2
Net-(RGB1-DIN): length 5.4
  Bottom w0.2: U3.4 145.85,27.04 146.47,26.42 RGB1.4
Net-(RGB1-DOUT): length 79.8
  Top w0.2: v2(153.31,78.18) 153.77,77.72 153.77,65.12 162.07,56.82 v2(162.07,38.02) ; RGB2.4 171.33,87.16 v2(170.29,87.16)
  Bottom w0.2: v2(153.31,78.18) 161.81,78.18 170.29,86.66 v2(170.29,87.16) ; RGB1.2 154.68,30.63 v2(162.07,38.02)
Net-(RGB2-DOUT): length 94.9
  Top w0.2: v2(179.65,88.23) 179.13,87.72 RGB2.2 ; RGB3.4 256.32,111.85 v2(257.54,113.06)
  Bottom w0.2: v2(257.54,113.06) 257.49,113.11 240.24,113.11 222.47,95.34 201.8,95.34 194.69,88.23 v2(179.65,88.23)
Net-(RGB3-DOUT): length 66.6
  Top w0.2: RGB3.2 262.79,109.16 v2(262.98,109.34) ; RGB4.4 327.84,110.74 v2(326.19,110.74)
  Bottom w0.2: v2(262.98,109.34) 324.79,109.34 v2(326.19,110.74)
Net-(RGB4-DOUT): length 55
  Top w0.2: RGB5.4 331.43,62.11 331.43,107.43 RGB4.2
Net-(RGB5-DOUT): length 87.4
  Top w0.2: v2(330.82,50.58) 330.82,50.88 331.82,51.89 RGB5.2 ; v2(253.9,42.05) 253.9,40.82 RGB6.4
  Bottom w0.2: v2(330.82,50.58) 272.76,50.58 265.63,43.45 255.3,43.45 v2(253.9,42.05)
Net-(RGB6-DOUT): length 101.6
  Top w0.2: RGB7.4 169.56,24.88 v2(169.56,26.44) ; v2(259.52,38.68) 259.69,38.85 RGB6.2
  Bottom w0.2: v2(169.56,26.44) 174.23,26.44 175.57,27.79 191.1,27.79 198.16,34.85 224.56,34.85 228.6,38.88 249.71,38.88 251.54,37.05 257.89,37.05 v2(259.52,38.68)
Net-(RGB7-DOUT): length 47.7
  Top w0.2: v2(175.79,21.87) 176.22,22.31 RGB7.2 ; v2(131.54,21.41) 131.27,21.41 RGB8.4
  Bottom w0.2: v2(131.54,21.41) 131.54,21.49 131.94,21.89 135.85,21.89 136.26,21.49 175.4,21.49 v2(175.79,21.87)
Net-(RGB8-DOUT): length 124.3
  Top w0.2: RGB8.2 137.08,18.21 137.88,19 v2(137.88,22.84) ; v2(32.57,49.1) 31.6,48.14 RGB9.4
  Bottom w0.2: v2(32.57,49.1) 36.68,49.1 43.09,42.69 67.03,42.69 71.57,38.15 82.57,38.15 87.83,32.89 103.76,32.89 108.43,28.22 119.05,28.22 124.61,22.67 137.7,22.67 v2(137.88,22.84)
Net-(RGB10-DIN): length 69
  Top w0.2: RGB10.4 37.05,109.04 v2(37.56,109.55) ; v2(35.13,101.51) 35.13,49.8 v2(36.82,48.11) ; v2(37.34,45.01) 36.41,45.01 RGB9.2
  Bottom w0.2: v2(35.13,101.51) 35.13,107.12 v2(37.56,109.55) ; v2(36.82,48.11) 36.82,45.53 v2(37.34,45.01)
Net-(RGB10-DOUT): length 76.1
  Top w0.2: RGB11.4 109.49,90.16 v2(109.49,91.47) ; RGB10.2 43.53,105.67 v2(43.67,105.53)
  Bottom w0.2: v2(43.67,105.53) 44.84,106.7 60.55,106.7 70.07,97.19 103.77,97.19 v2(109.49,91.47)
Net-(U4-CLK): length 6.6
  Bottom w0.2: U4.6 147.88,56.08 147.88,53.15 146.34,51.6 U5.52
Net-(U4-DI(IO0)): length 5.7
  Bottom w0.2: U5.53 146.74,51.54 148.48,53.28 U4.5
Net-(U4-DO(IO1)): length 9.2
  Bottom w0.2: U5.55 147.54,51.35 147.77,51.59 148.91,51.59 151.62,54.29 151.62,56.83 U4.2
Net-(U4-IO2): length 7.3
  Bottom w0.2: U4.3 148.8,54.5 148.8,53.08 147.14,51.42 U5.54
Net-(U4-IO3): length 7.6
  Bottom w0.2: U5.51 145.94,51.67 147.56,53.29 147.56,56.55 U4.7
Net-(U4-~{CS}): length 10.4
  Bottom w0.2: U5.56 148.22,51.21 149.48,51.21 R3.2 151.44,53.16 R4.1 152.12,53.71 152.12,57.13 U4.1
Net-(U5-RUN): length 6
  Bottom w0.2: RS2.2 R8.2 142.19,42.24 143.54,43.59 U5.26
Net-(U5-XIN): length 7
  Bottom w0.2: U5.20 145.94,42.77 146.19,42.52 146.19,42.49 147.17,41.51 147.17,40.3 Y1.1 147.81,39.08 C22.1
Net-(U5-XOUT): length 2.4
  Bottom w0.2: R5.1 145.54,42.33 U5.21

## Copper pours and planes (outline as drawn; the poured copper is in the pictures)
GND on Top, Bottom: -21.63,153.09 367.85,153.09 368.34,152.6 368.34,-5.9 363.18,-11.06 -20.73,-11.06 -21.63,-10.16

## Text on the board
F.Silkscreen: Royal Nearfield v1.00 / Markus Knutsson 2024 / https://github.com/TweetyDaBird | JLCJLCJLCJLC
